# Altium PCB WX0.012.446PCB-4.2.PcbDoc (part 1 of 3)
Units mm, origin at the board's own origin, x right, y up, seen from the top; angles counter-clockwise.
Board outline 102 x 67 mm, 4 copper layers (Top Layer, GND, VCC, Bottom Layer), stack 1.581 mm thick; 212 components, 155 nets, 673 pads, 449 vias.
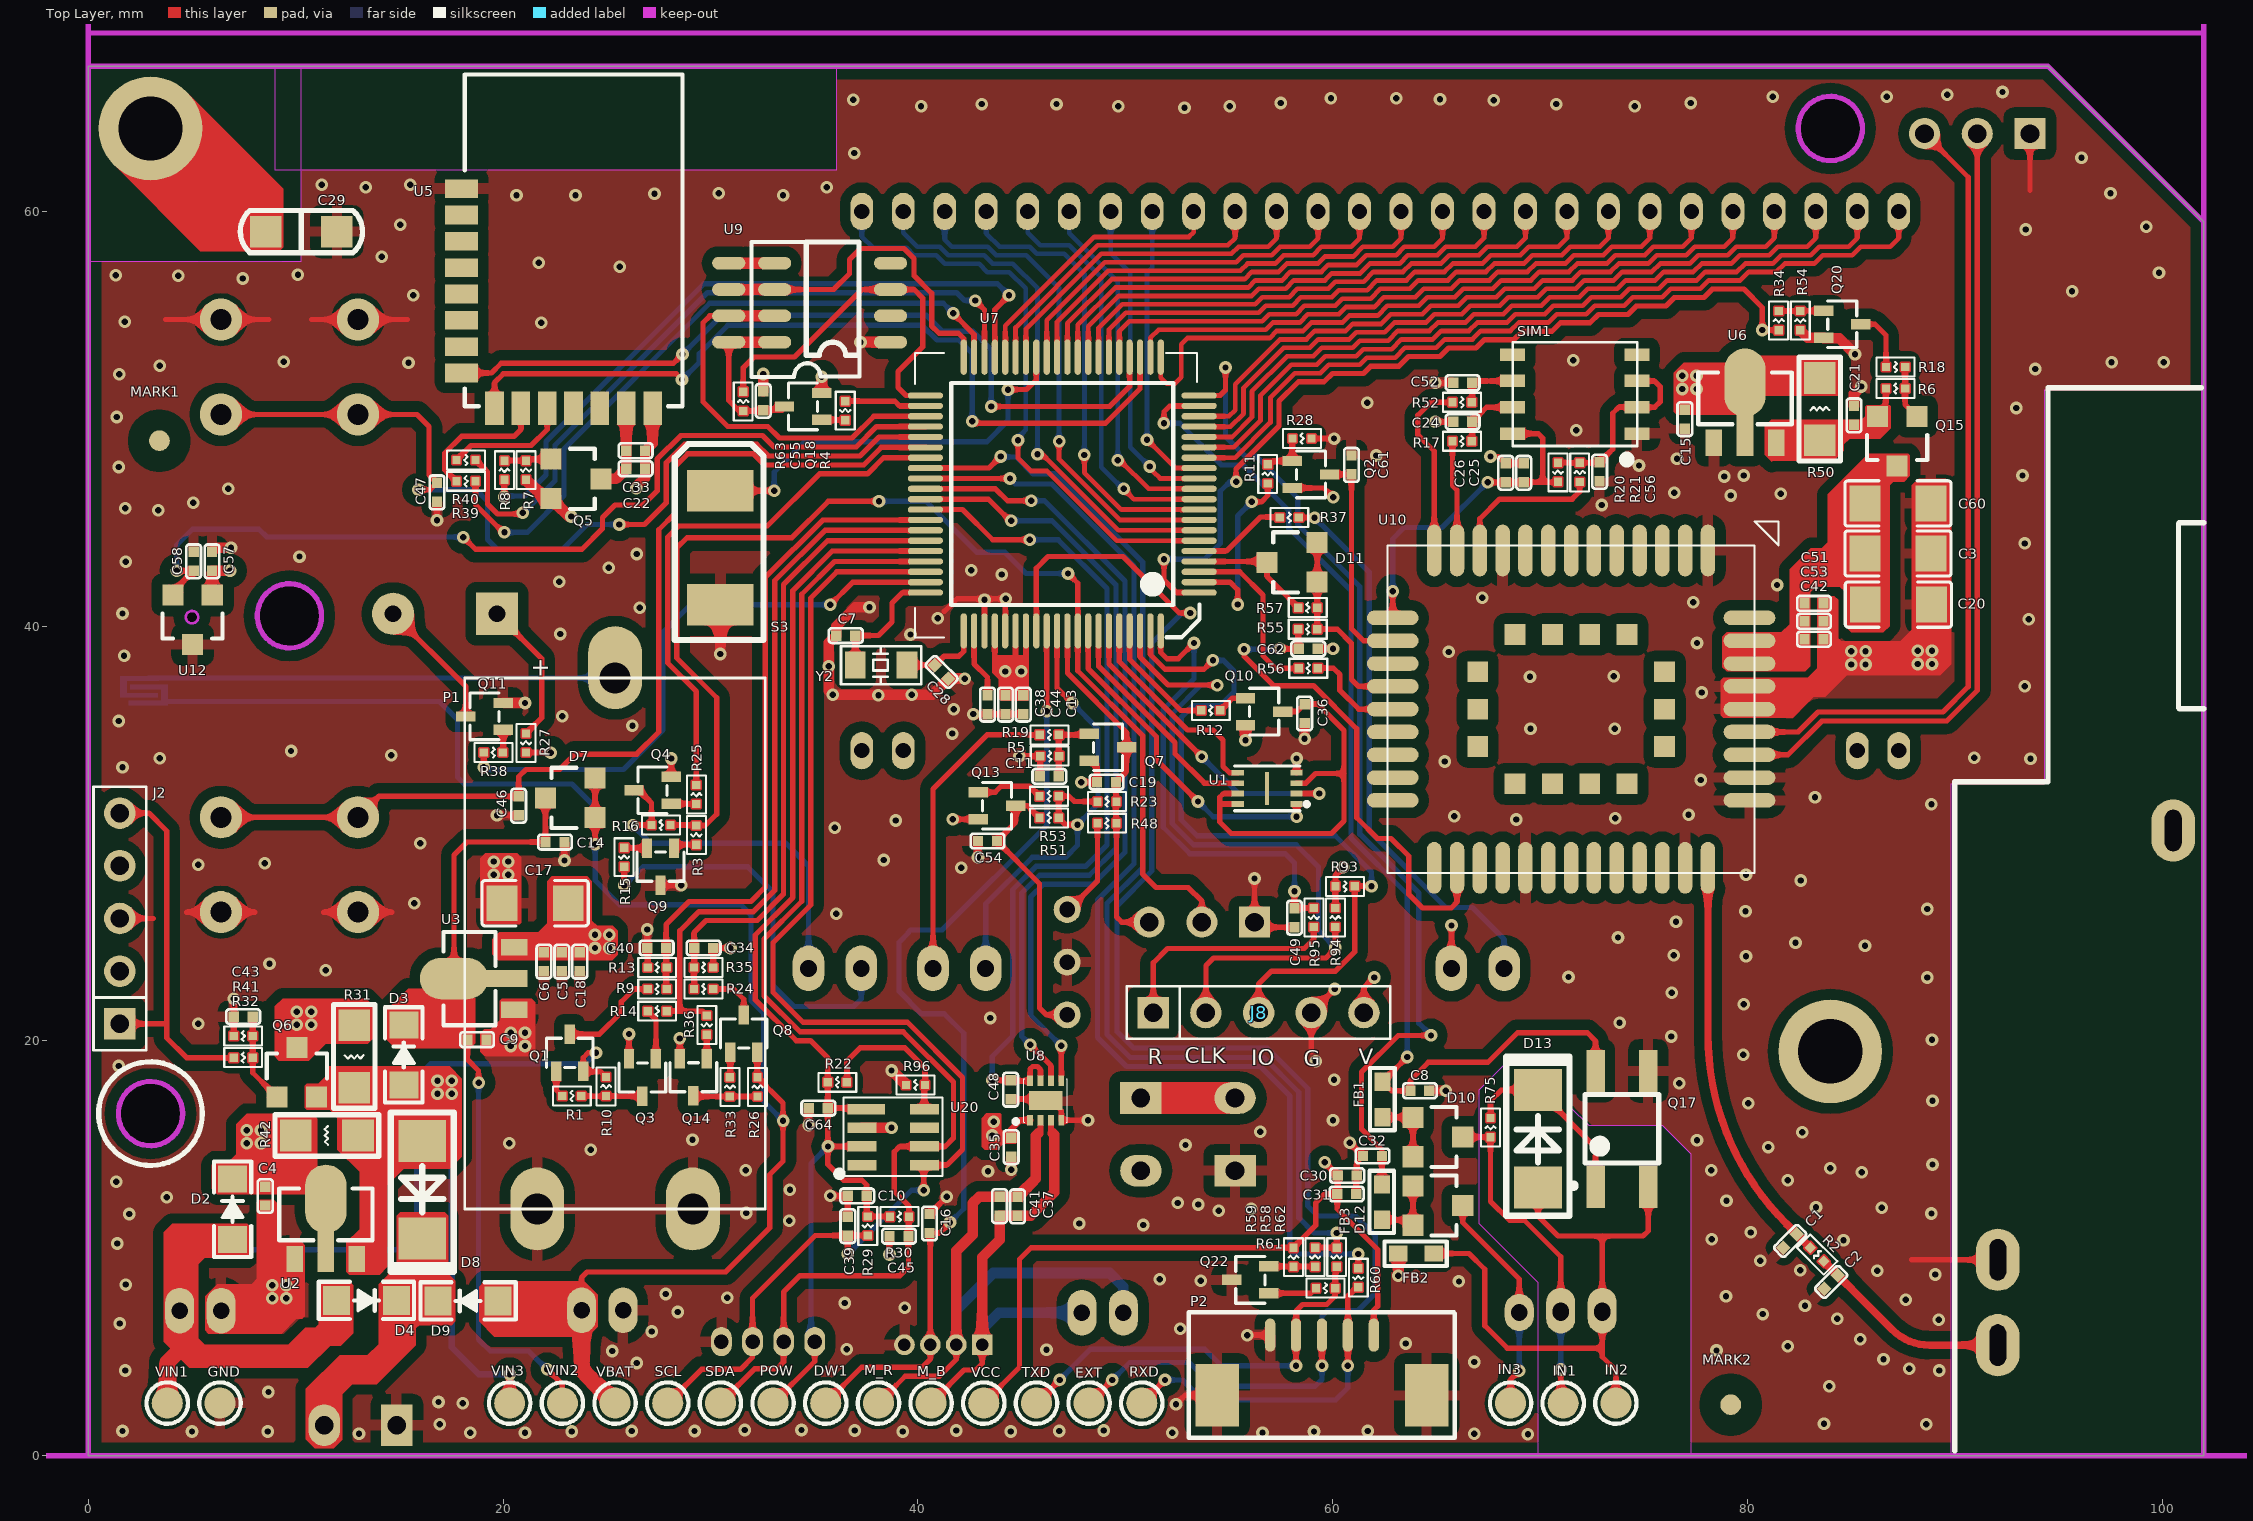
[diagram p0: Top Layer view]
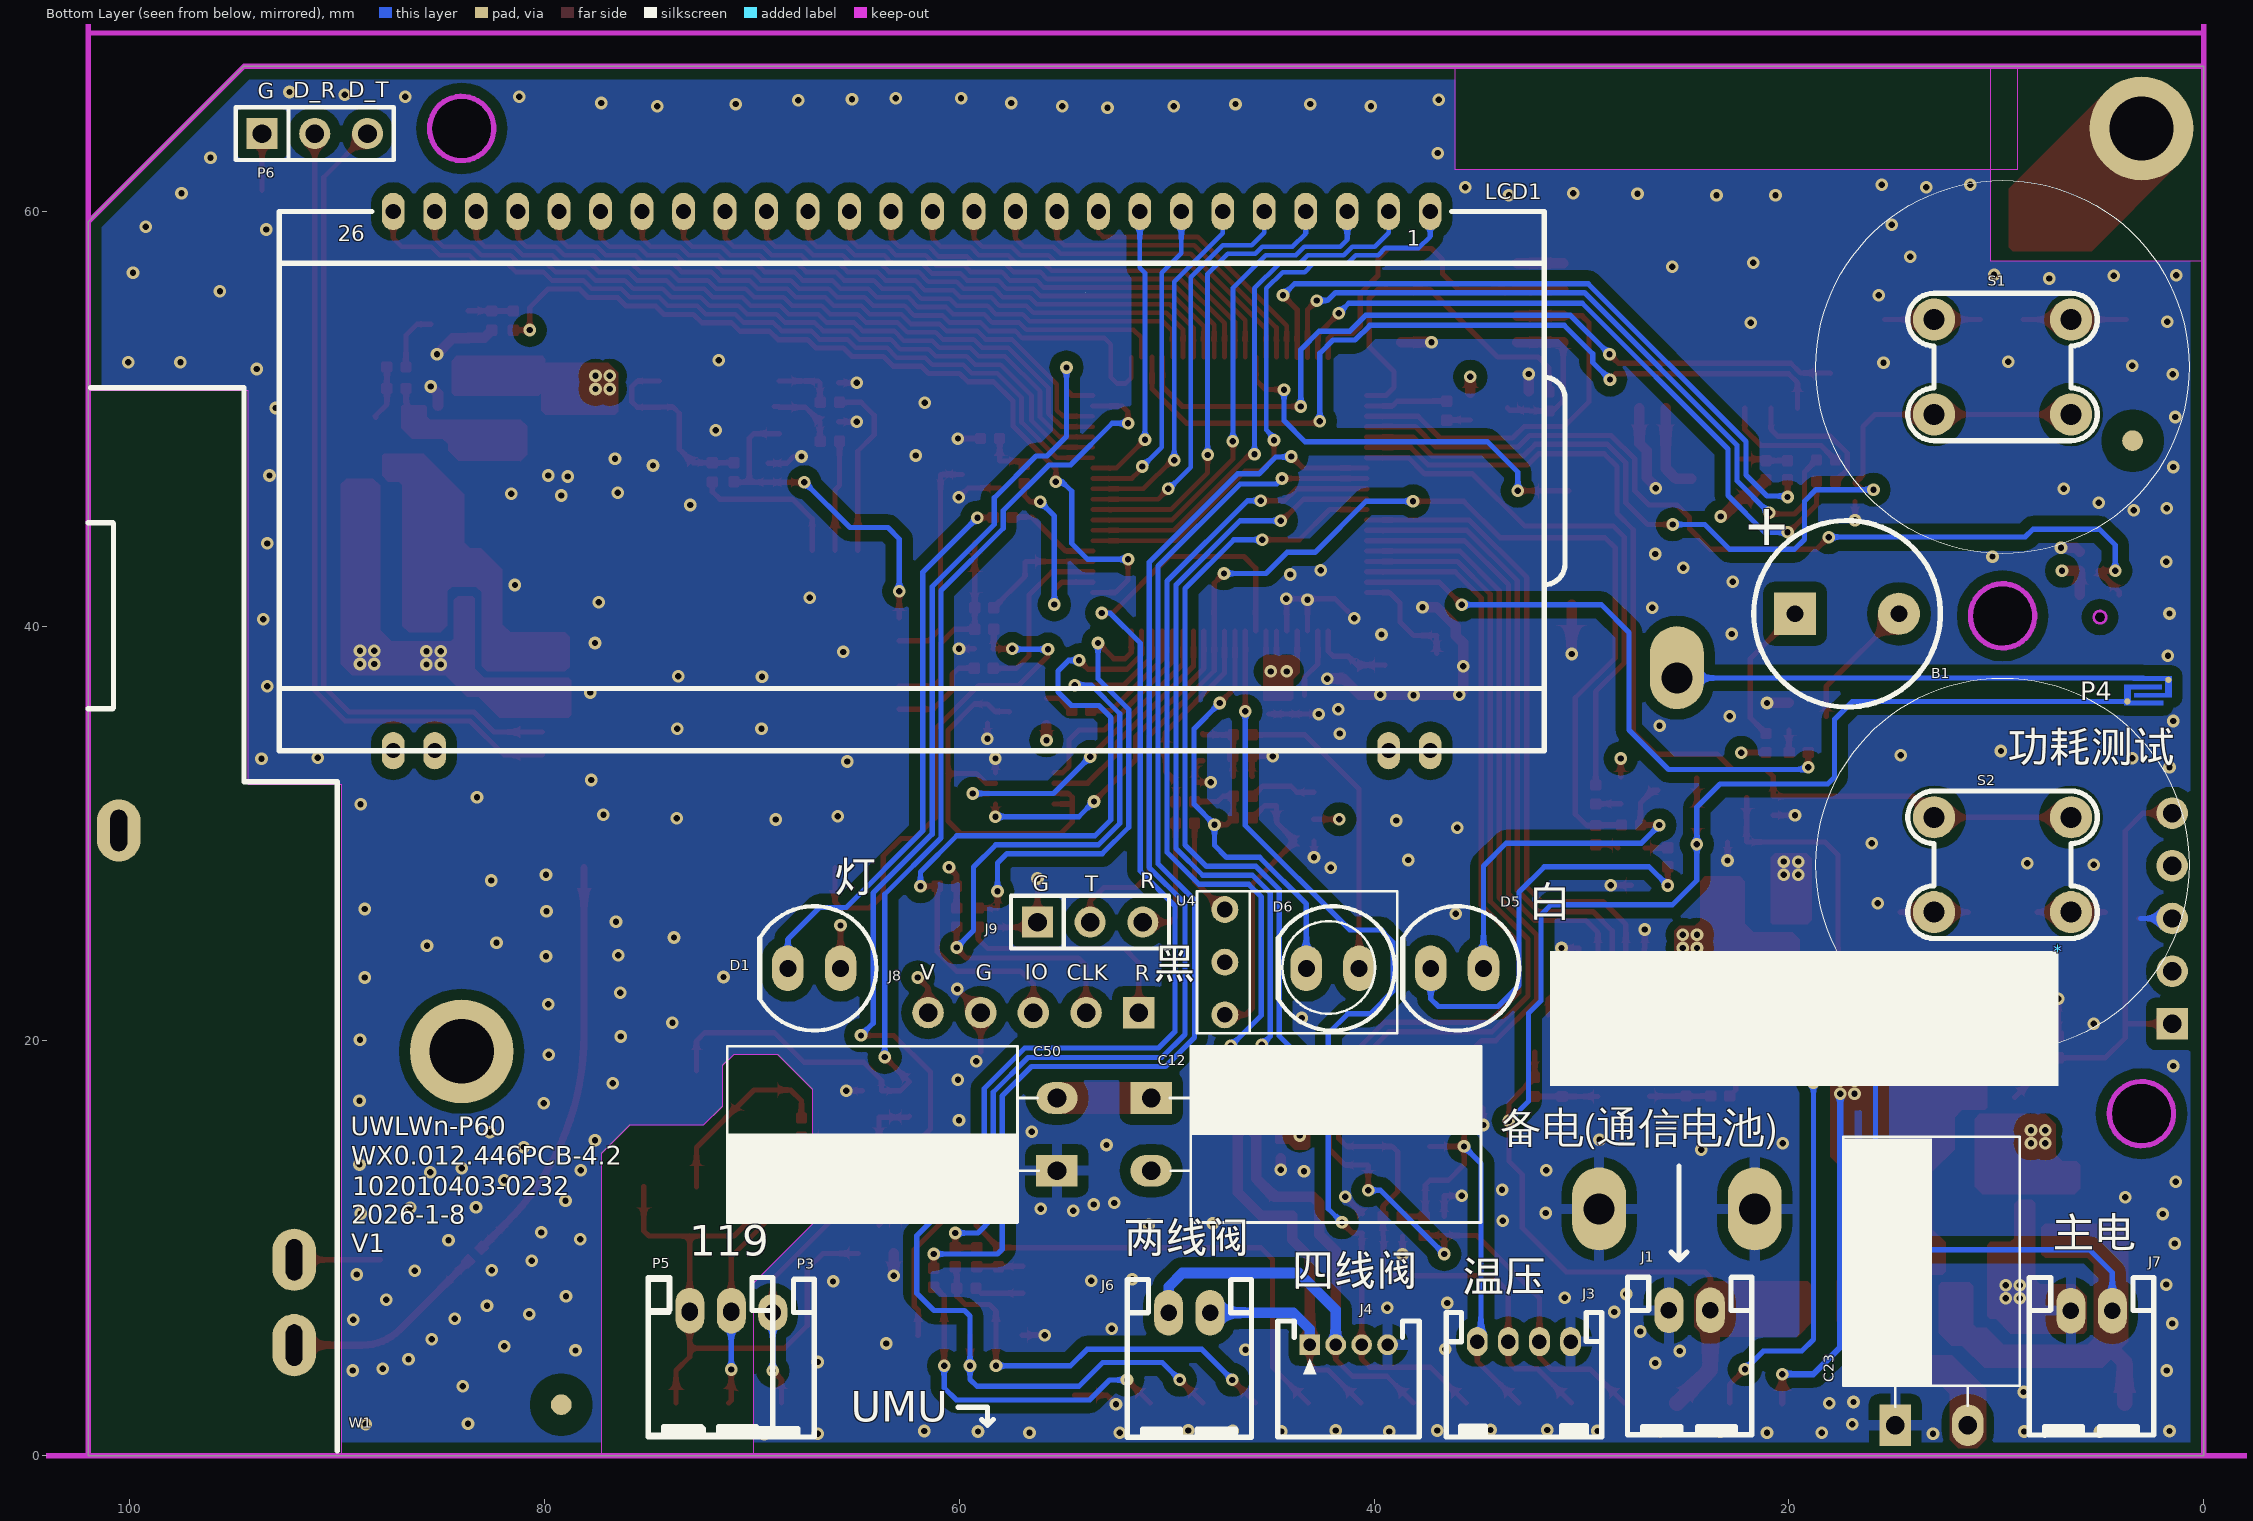
[diagram p1: Bottom Layer view, seen from below]
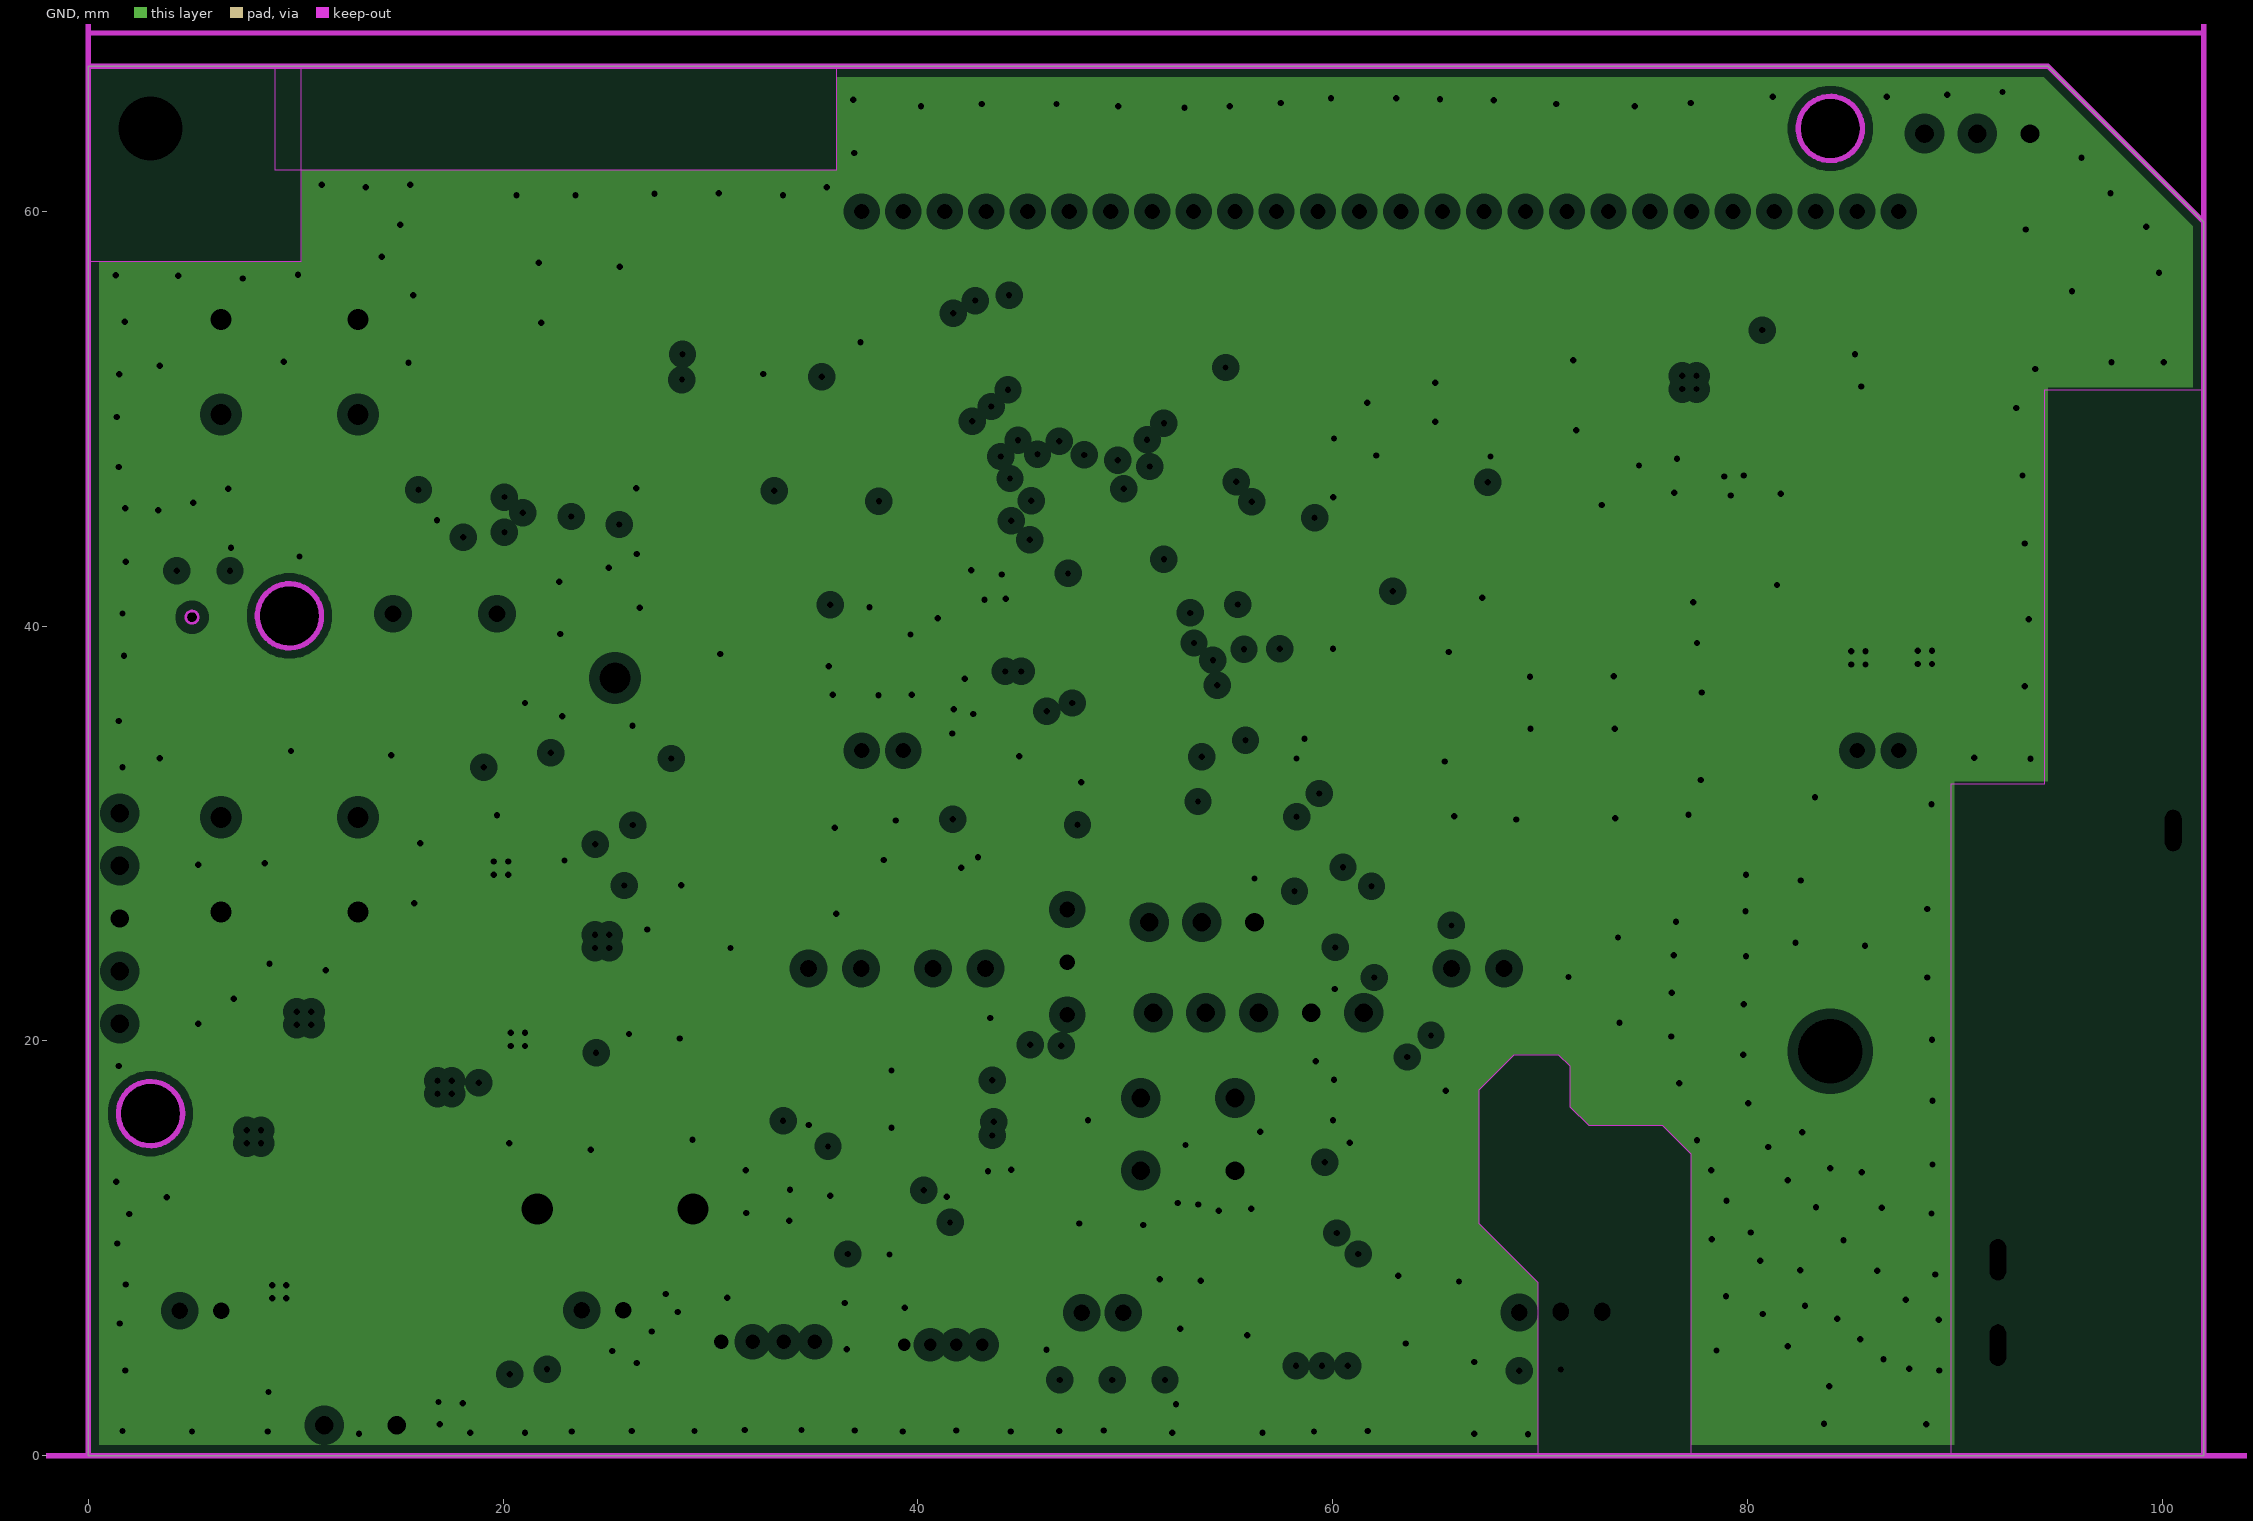
[diagram p2: GND, clearances drawn from the general rule]
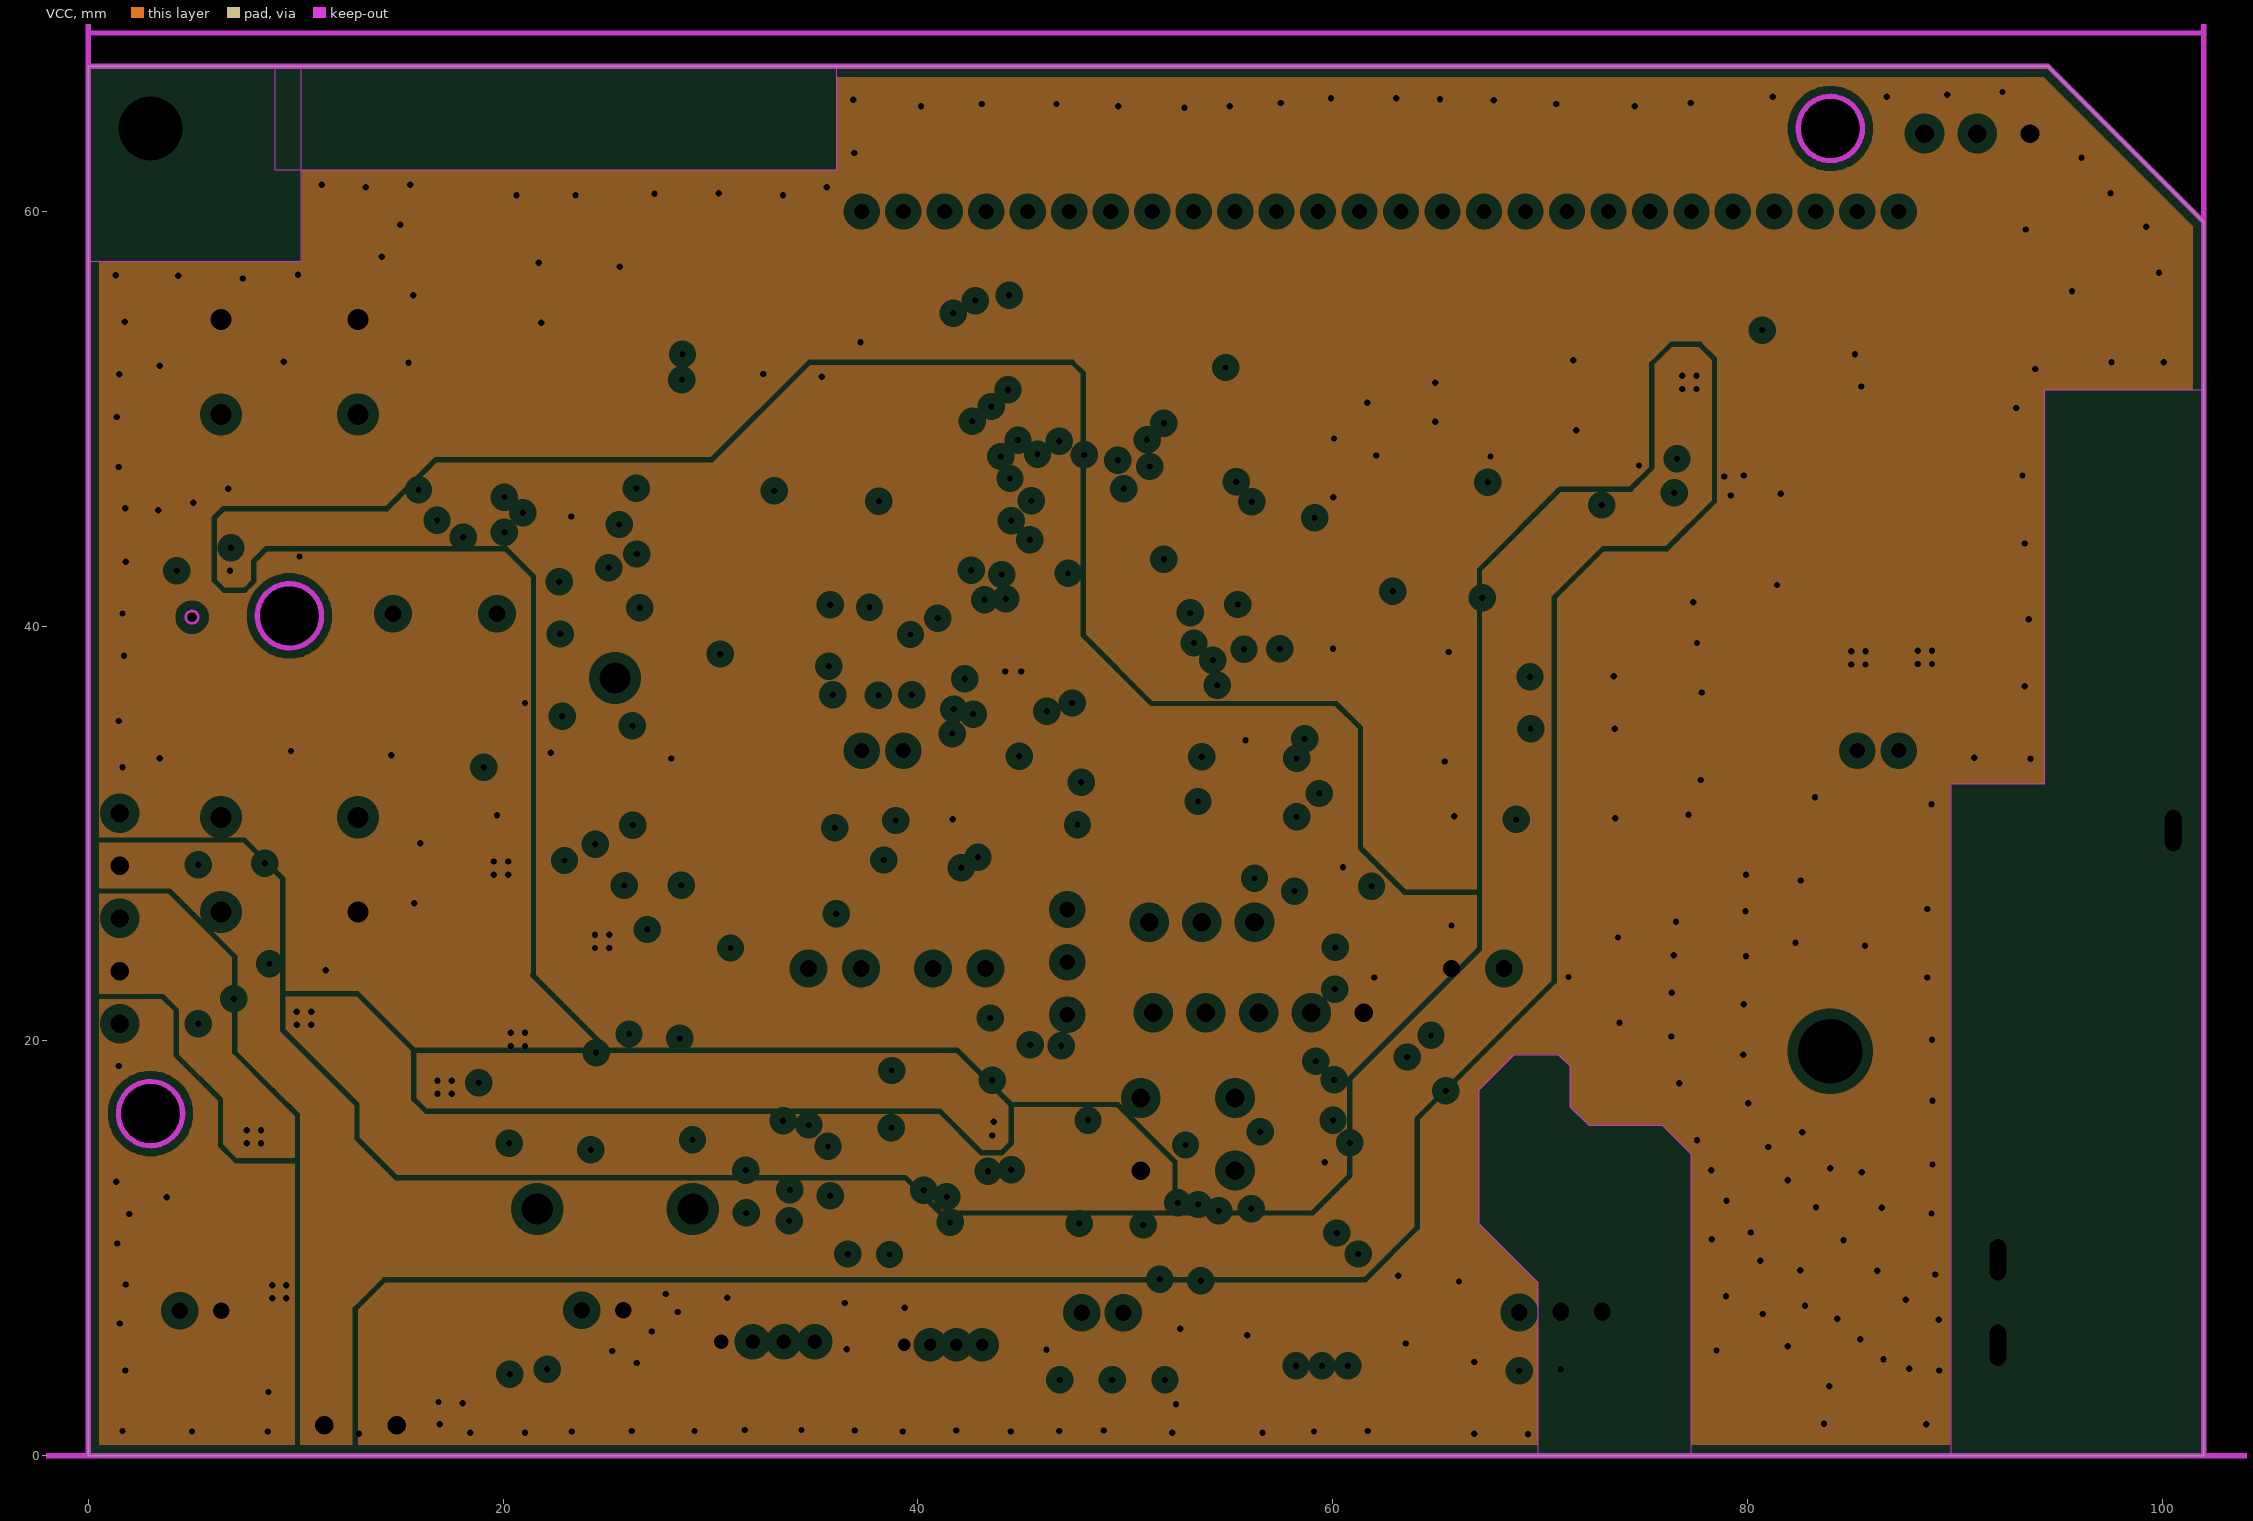
[diagram p3: VCC, clearances drawn from the general rule]
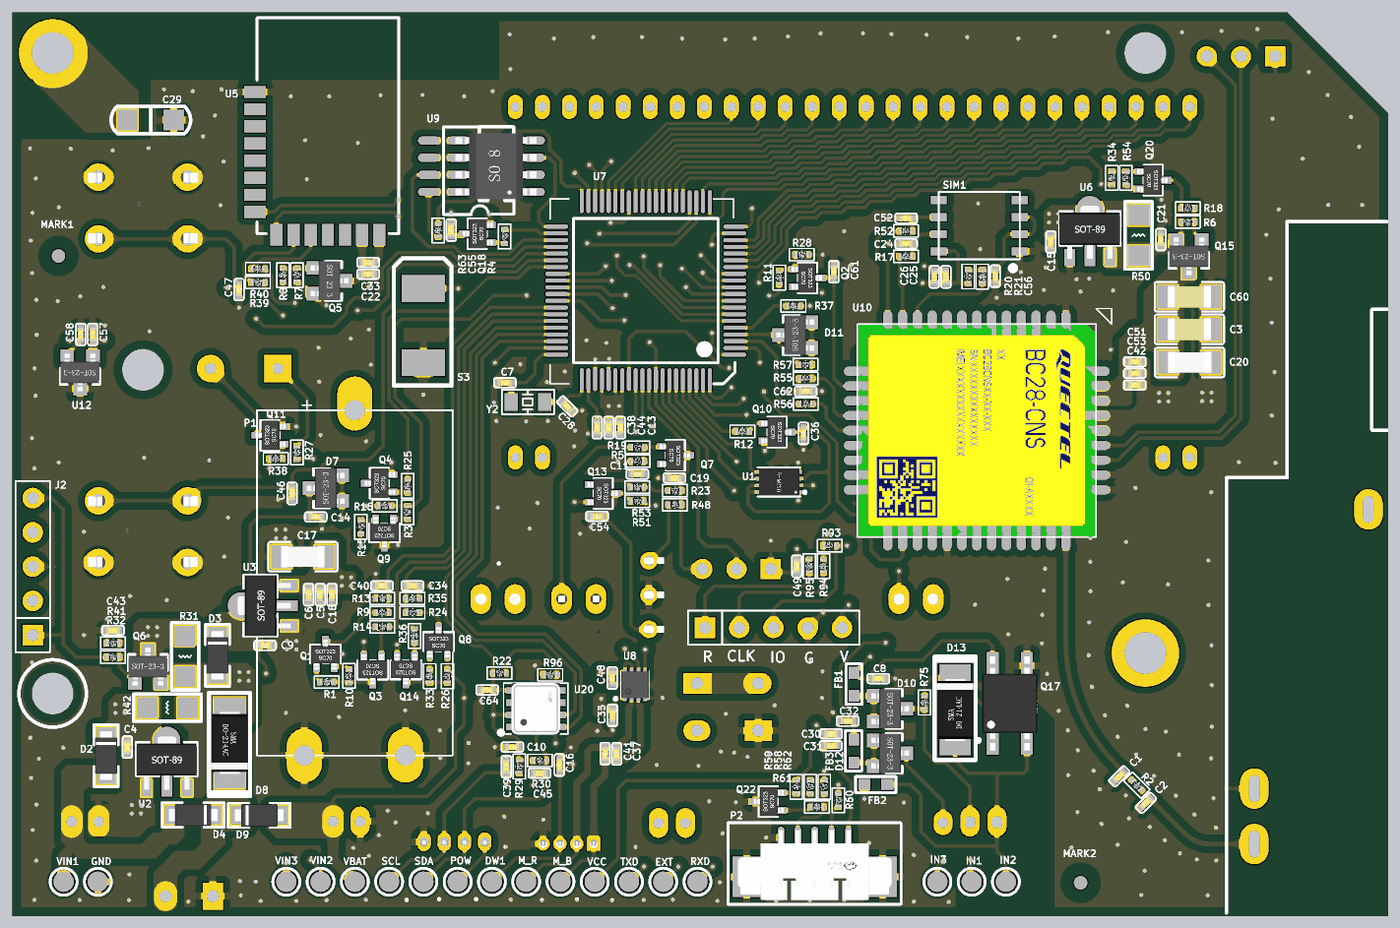
[diagram p6: 3D render of the assembled board from above, using the file's embedded part models]

## Layer stack, top to bottom
Top Solder: solder mask 0.0102, Solder Resist, Dk 3.5
Top Layer: signal copper 0.0356
Dielectric 1: core 0.254, FR-4, Dk 4.2
GND: plane copper 0.036, net GND
Dielectric 2: prepreg 0.93, Dk 4.2
VCC: plane copper 0.036, net (Multiple Nets)
Dielectric 3: core 0.254, Dk 4.2
Bottom Layer: signal copper 0.0356
Bottom Solder: solder mask 0.0102, Solder Resist, Dk 3.5

## Board outline
0,0 0,67 94.5,67 102,59.5 102,53.5 102,35.5 102.005,35.497 102.005,15.5 102,15.5 102,0
cut-out: 5.004,40.137 cw(c5.004,40.437) 4.704,40.437 cw(c5.004,40.437) 5.004,40.737 cw(c5.004,40.437) 5.304,40.437 cw(c5.004,40.437)
cut-out: 3,14.95 cw(c3,16.5) 1.45,16.5 cw(c3,16.5) 3,18.05 cw(c3,16.5) 4.55,16.5 cw(c3,16.5)
cut-out: 9.7,38.95 cw(c9.7,40.5) 8.15,40.5 cw(c9.7,40.5) 9.7,42.05 cw(c9.7,40.5) 11.25,40.5 cw(c9.7,40.5)
cut-out: 82.45,64 ccw(c84,64) 84,62.45 ccw(c84,64) 85.55,64 ccw(c84,64) 84,65.55 ccw(c84,64)
